# Altium PCB TS_24 UCM R1.PcbDoc
Units mm, origin at the board's own origin, x right, y up, seen from the top; angles counter-clockwise.
Board outline 76.53 x 28.45 mm, 4 copper layers (Top Layer, Int1 (PWR), Int2 (GND), Bottom Layer), stack 1.369 mm thick; 91 components, 56 nets, 303 pads, 139 vias.
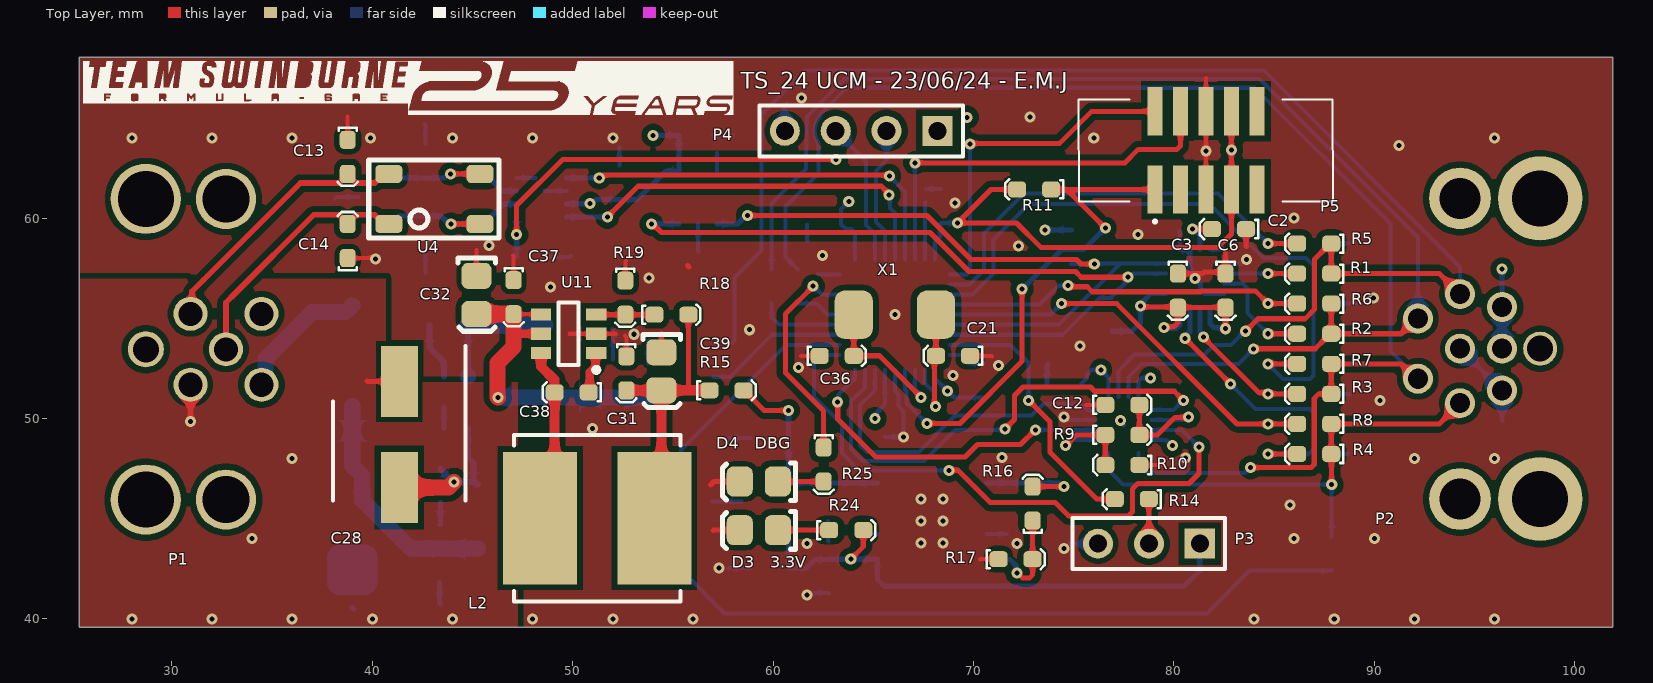
[diagram p0: Top Layer view]
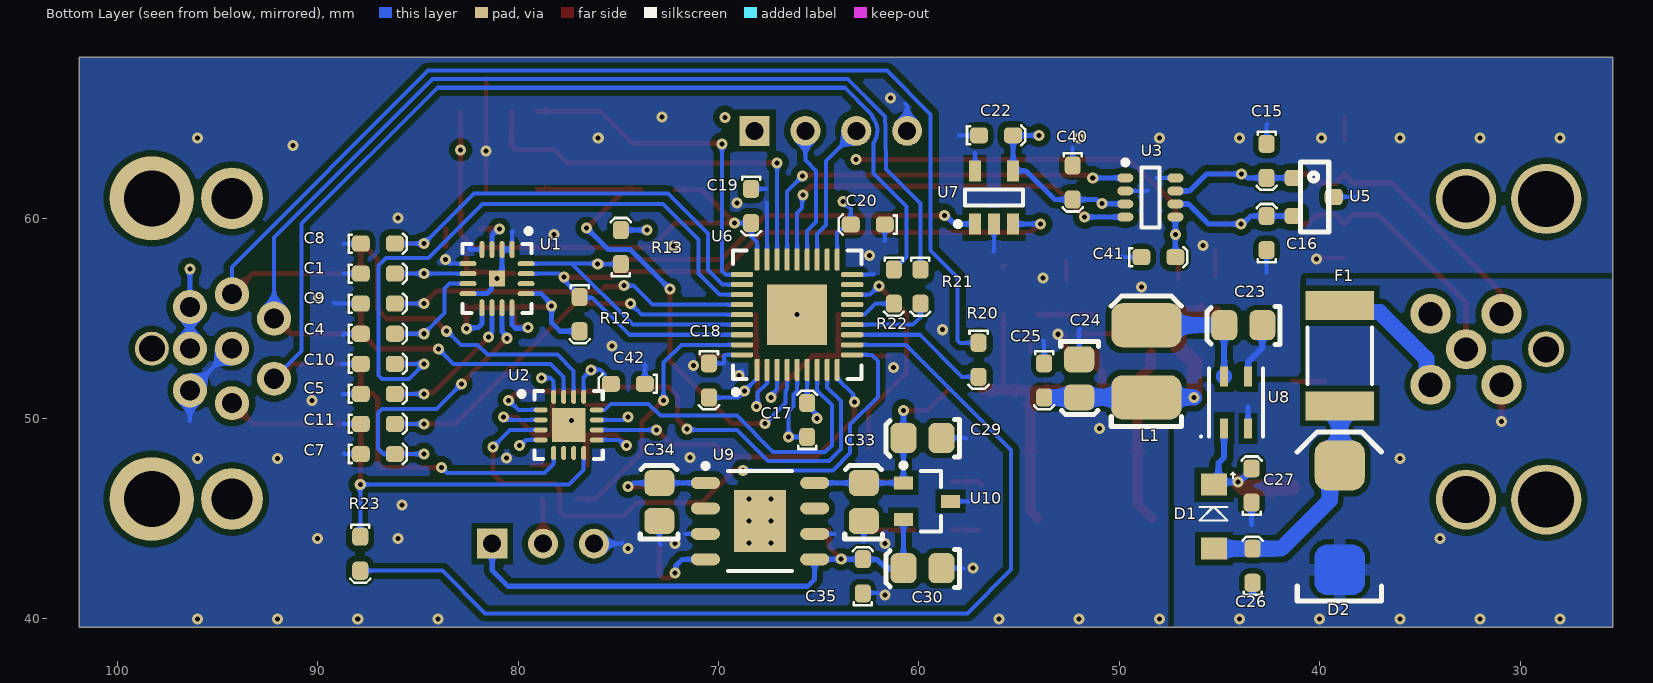
[diagram p1: Bottom Layer view, seen from below]
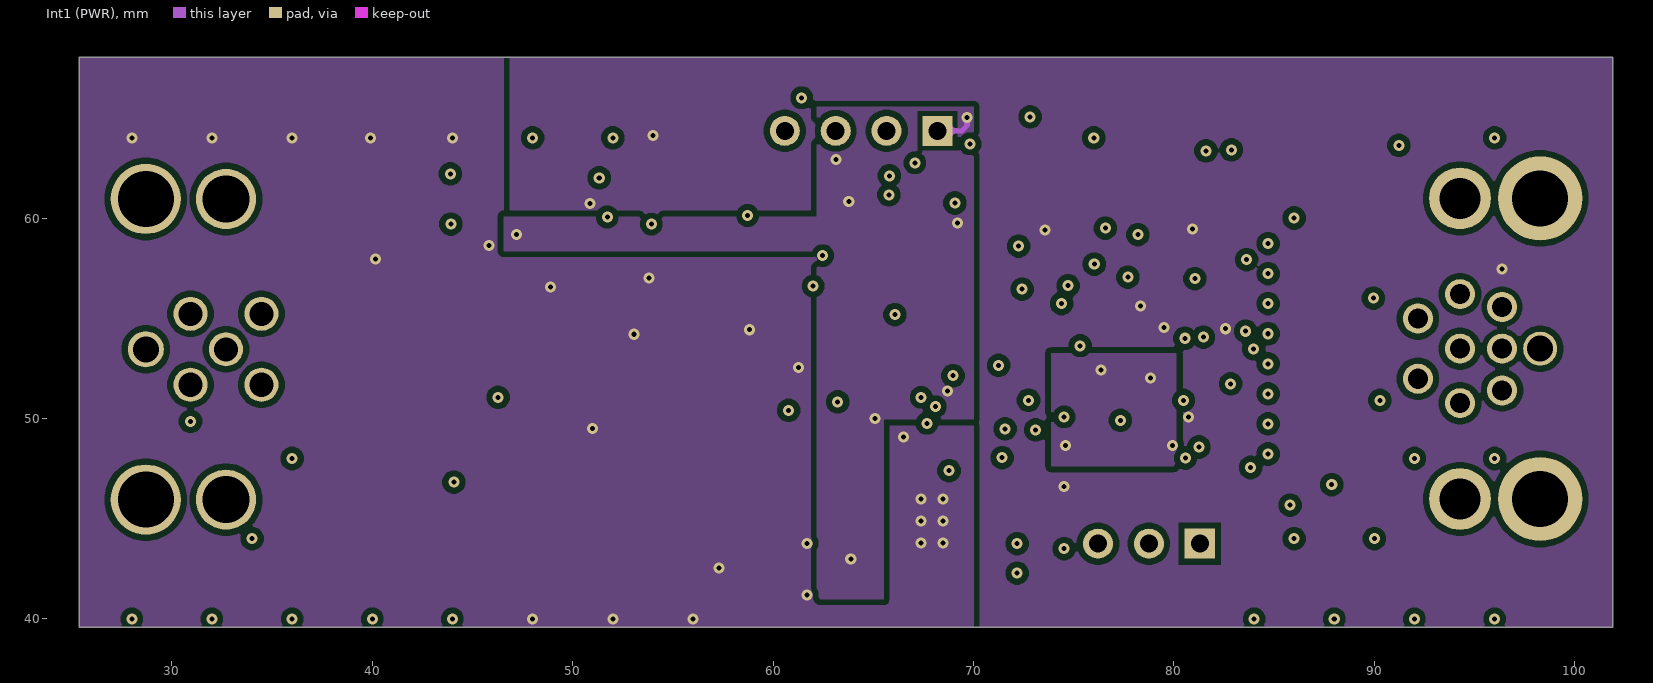
[diagram p2: Int1 (PWR)]
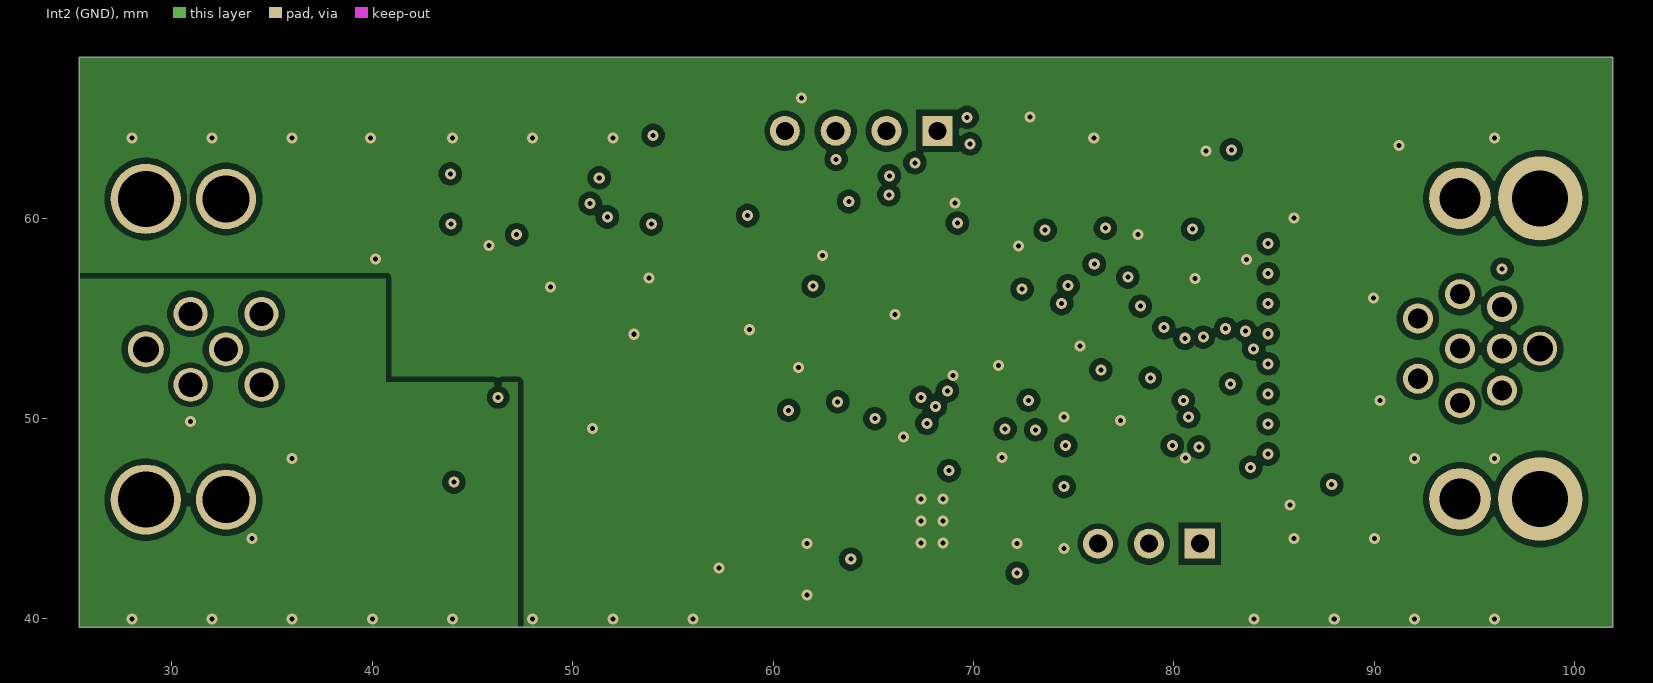
[diagram p3: Int2 (GND)]
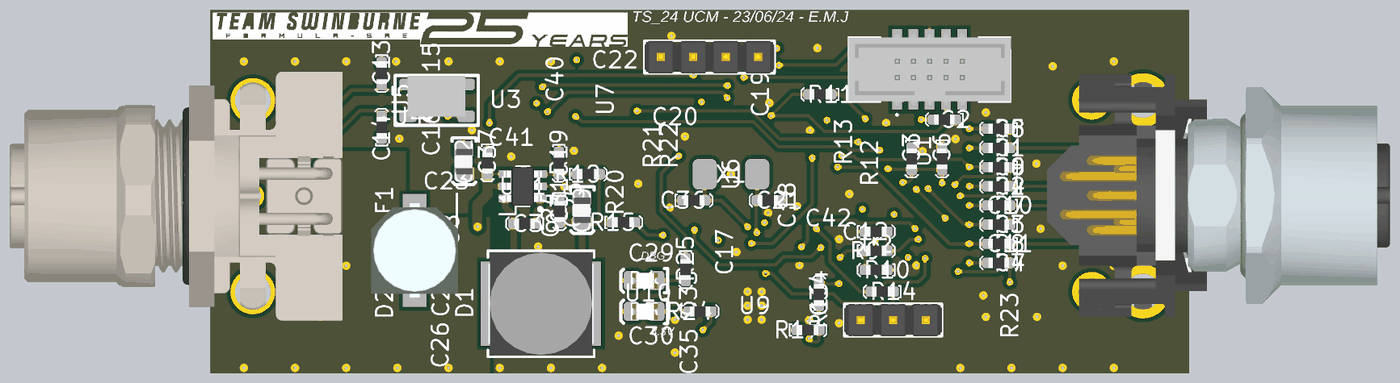
[diagram p4: 3D render of the assembled board from above, using the file's embedded part models]
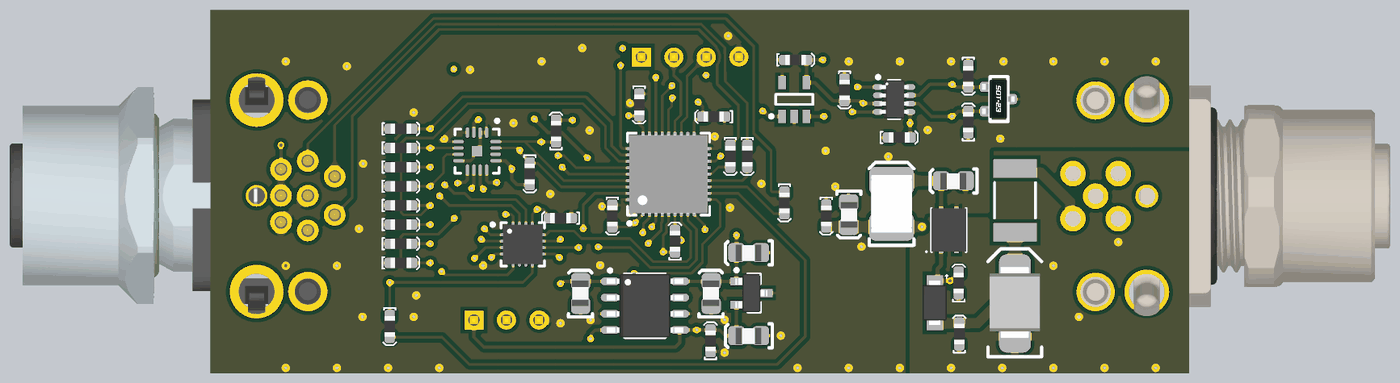
[diagram p5: 3D render of the assembled board from below, using the file's embedded part models]

## Layer stack, top to bottom
Top Solder: solder mask 0.0254, SM-001, Dk 4
Top Layer: signal copper 0.035
Dielectric 1: prepreg 0.1295, PP-017, Dk 4.3
Dielectric 2: prepreg 0.1295, PP-017, Dk 4.3
Int1 (PWR): signal copper 0.035
Dielectric 3: core 0.7112, Core-039, Dk 4.8
Int2 (GND): signal copper 0.035
Dielectric 4: prepreg 0.1295, PP-017, Dk 4.3
Dielectric 5: prepreg 0.1295, PP-017, Dk 4.3
Bottom Layer: signal copper 0.035
Bottom Solder: solder mask 0.0254, SM-001, Dk 4

## Board outline
25.375,39.575 25.375,68.025 101.9,68.025 101.9,39.575

## Design rules (kind name [scope] priority, off if disabled: settings)
Clearance [All] p1: gap=0.254 ignorepadtopadclearanceinfootprint=FALSE except(0: Arc-Hole Track-Hole SMDPad-Hole THPad-Hole Via-Hole Fill-Hole Region-Hole Text-Hole; 0.1: THPad-THPad; 0.152: Arc-SMDPad Track-SMDPad SMDPad-SMDPad; 0.2: Arc-THPad Track-THPad SMDPad-THPad THPad-Via; 0.203: Arc-Arc Arc-Track Arc-Region Track-Track Track-Region SMDPad-Region THPad-Region Via-Region Fill-Region Poly-Region Region-Region; 0.3: Arc-Poly Track-Poly SMDPad-Poly THPad-Poly Via-Poly Fill-Poly Poly-Poly)
DiffPairsRouting DiffPair_DiffPairsRouting [InDifferentialPair ('CANbus')] p1: maxlimit=1.3 minlimit=1.3 mostfreqgap=1.3 toplayer_minwidth=0.285 toplayer_maxwidth=0.285 toplayer_prefwidth=0.285 midlayer1_minwidth=0.285 midlayer1_maxwidth=0.285 midlayer1_prefwidth=0.285 midlayer2_minwidth=0.285 midlayer2_maxwidth=0.285 midlayer2_prefwidth=0.285 bottomlayer_minwidth=0.285 bottomlayer_maxwidth=0.285 bottomlayer_prefwidth=0.285 maxuncoupledlength=0.1
DiffPairsRouting [All] p2: maxlimit=0.254 minlimit=0.254 mostfreqgap=0.254 toplayer_minwidth=0.381 toplayer_maxwidth=0.381 toplayer_prefwidth=0.381 midlayer1_minwidth=0.381 midlayer1_maxwidth=0.381 midlayer1_prefwidth=0.381 midlayer2_minwidth=0.381 midlayer2_maxwidth=0.381 midlayer2_prefwidth=0.381 bottomlayer_minwidth=0.381 bottomlayer_maxwidth=0.381 bottomlayer_prefwidth=0.381 maxuncoupledlength=12.7
Height [All] p1: minheight=0 maxheight=50 prefheight=12.7
HoleSize [All] p1: absolutevalues=TRUE maxlimit=10 minlimit=0.025 maxpercent=80.000 minpercent=20.000
MatchedLengths DiffPair_MatchedLengths [InDifferentialPair ('CANbus')] p1: tolerance=25.4 checknetsindiffpair=FALSE checkdiffpairvsdiffpair=TRUE checkxsignals=TRUE checkothers=TRUE
MinimumSolderMaskSliver [All] p1 off: minsoldermaskwidth=0.254
NetAntennae [All] p1 off: netantennaetolerance=0
PlaneClearance [All] p1: clearance=0.4
PlaneConnect [All] p1: pad.planeconnectstyle=NoConnect pad.reliefexpansion=0.508 pad.reliefentries=4 pad.reliefconductorwidth=0.8 pad.reliefairgap=0.254 via.planeconnectstyle=Direct via.reliefexpansion=0.508 via.reliefentries=4 via.reliefconductorwidth=0.8 via.reliefairgap=0.254
PolygonConnect [All] p1: thpad.connectstyle=NoConnect thpad.reliefconductorwidth=0.6 thpad.reliefentries=4 thpad.polygonreliefangle="90 Angle" thpad.airgapwidth=0.254 smdpad.connectstyle=NoConnect smdpad.reliefconductorwidth=0.6 smdpad.reliefentries=4 smdpad.polygonreliefangle="90 Angle" smdpad.airgapwidth=0.254 via.connectstyle=Direct via.reliefconductorwidth=0.6 via.reliefentries=4 via.polygonreliefangle="90 Angle" via.airgapwidth=0.254
RoutingVias [All] p1: holewidth=0.25 width=0.55 viastyle="Through Hole" minholewidth=0.203 minwidth=0.254 maxholewidth=0.711 maxwidth=1.27
SilkToSilkClearance [All] p1 off: silktosilkclearance=0.254
SilkToSolderMaskClearance [IsPad] p1 off: minsilkscreentomaskgap=0.254 clearancetoexposedcopper=TRUE
SolderMaskExpansion [All] p1: expansion=0.051 istentingtop=FALSE
Width [All] p1: maxlimit=3 minlimit=0.127 preferedwidth=0.152 minimp=50.000000 maximp=50.000000 favimp=50.000000
21 further rules are at their usual default settings.

## Classes and differential pairs
component class "U_Power Supply": C23 C24 C25 C26 C27 C28 C29 C30 C31 C32 C33 C34 C35 C37 C38 C39 D1 D2 F1 L1 L2 R15 R16 R17 R18 R19 U8 U9 U10 U11
component class U_Microcontroller: C17 C18 C19 C20 C21 C22 C36 D3 D4 P3 P4 P5 R11 R12 R13 R14 R24 R25 U6 U7 X1
component class U_Digital_Outputs: C12 C42 R9 R10 U2
component class U_Digital_Inputs: C8 C9 C10 C11 R5 R6 R7 R8 R20 R21 R22 R23
component class U_CAN: C13 C14 C15 C16 C40 C41 U3 U4 U5
component class U_Analog_Input: C1 C2 C3 C4 C5 C6 C7 R1 R2 R3 R4 U1
component class "Top Level": P1 P2
differential pair CANbus: +CAN2_P -CAN2_N

## Components (designator, comment, footprint, x,y, rotation, side; value= is the part's Value field where it differs from the comment)
C1 "100nF" 0603 87.85,57.225 r180 bottom
C2 "100nF" 0603 83.6,59.45 r180 top
C3 "100nF" 0603 80.2,57.225 r270 top
C4 "100nF" 0603 87.85,54.225 r180 bottom
C5 "100nF" 0603 87.85,51.225 r180 bottom
C6 "100nF" 0603 82.575,57.225 r270 top
C7 "100nF" 0603 87.85,48.225 r180 bottom
C8 "10nF" 0603 87.85,58.725 r180 bottom
C9 "10nF" 0603 87.85,55.73 r180 bottom
C10 "10nF" 0603 87.85,52.725 r180 bottom
C11 "10nF" 0603 87.85,49.725 r180 bottom
C12 "100nF" 0603 76.575,50.675 r0 top
C13 "100pF" 0603 38.775,63.9 r270 top
C14 "100pF" 0603 38.775,58 r90 top
C15 "100pF" 0603 42.65,63.7 r270 bottom
C16 "100pF" 0603 42.65,58.4 r90 bottom
C17 "100nF" 0603 65.575,49.075 r90 bottom
C18 "100nF" 0603 70.475,52.75 r270 bottom
C19 "100nF" 0603 68.375,61.45 r270 bottom
C20 "100nF" 0603 61.7,59.675 r0 bottom
C21 "22pF" 0603 69.825,53.125 r180 top
C22 "100nF" 0603 57,64.125 r180 bottom
C23 "10uF" 0805 43.825,54.625 r0 bottom
C24 "10uF" 0805 51.974,51.989 r270 bottom
C25 "100nF" 0603 53.75,52.751 r270 bottom
C26 "100nF" 0603 43.35,41.8 r90 bottom
C27 "100nF" 0603 43.4,45.8 r90 bottom
C28 "47uF" "CHEMI-CON ELCO" 41.35,49.2 r270 top
C29 "1µF" 0805 59.833,49 r0 bottom
C30 "10uF" 0805 59.833,42.5 r0 bottom
C31 "100nF" 0603 52.675,53.1 r270 top
C32 "10uF" 0805 45.225,56.15 r270 top
C33 "1µF" 0805 62.772,45.842 r90 bottom
C34 "10uF" 0805 72.975,45.842 r90 bottom
C35 "100nF" 0603 62.8,41.275 r90 bottom
C36 "22pF" 0603 62.325,53.125 r0 top
C37 "100nF" 0603 47.05,56.9 r270 top
C38 "100nF" 0603 50.8,51.3 r180 top
C39 "10uF" 0805 54.451,52.338 r270 top
C40 "100nF" 0603 52.325,62.625 r270 bottom
C41 "100nF" 0603 48.9,58.05 r180 bottom
C42 "100nF" 0603 73.675,51.725 r0 bottom
D1 "PMEG100T10ELR-QX" "NXP SOD123W" 45.275,45.1 r270 bottom
D2 "SM6T36CAY" "ST SMB DIODE" 39,45.05 r270 bottom
D3 "Red" "0805 LED" 59.275,44.4 r180 top
D4 "Yellow" "0805 LED" 59.275,46.825 r180 top
F1 "0ZCG0020AF2C" "1812 (PPTC FUSE)" 39,53.125 r270 bottom
L1 "12uH" 1812 48.65,52.851 r90 bottom
L2 "47 uH" SRN8040TA 51.225,45.025 r180 top
P1 "NMEA" 43-01203 32.7,53.45 r90 top
P2 "43-02639" 43-02639 94.275,53.48 r90 top
P3 "2.54mm" "TH 2.54mm Header 1x3" 81.29,43.75 r180 top
P4 "2.54mm" "TH 2.54mm Header 1x4" 68.205,64.35 r180 top
P5 "1.27mm" 3221-10-0300-00 81.6,63.375 r0 top
R1 "510R" 0603 87.85,57.225 r180 top
R2 "510R" 0603 87.85,54.225 r180 top
R3 "510R" 0603 87.85,51.225 r180 top
R4 "510R" 0603 87.85,48.225 r180 top
R5 "10k" 0603 87.85,58.725 r180 top
R6 "10k" 0603 87.85,55.73 r180 top
R7 "10k" 0603 87.85,52.725 r180 top
R8 "10k" 0603 87.85,49.725 r180 top
R9 "20K" 0603 76.575,49.175 r0 top
R10 "10k" 0603 78.275,47.675 r180 top
R11 "10k" 0603 73.875,61.425 r180 top
R12 "2K" 0603 76.925,56.05 r270 bottom
R13 "2K" 0603 74.875,57.7 r90 bottom
R14 "10k" 0603 78.75,45.975 r180 top
R15 "0" 0603 56.825,51.4 r0 top
R16 "10k" 0603 72.95,44.9 r90 top
R17 "20K" 0603 71.25,42.975 r0 top
R18 "51K" 0603 54.075,55.175 r0 top
R19 "10k" 0603 52.625,56.875 r270 top
R20 "10k" 0603 57.025,53.775 r270 bottom
R21 "10k" 0603 59.925,57.425 r270 bottom
R22 "10k" 0603 61.25,57.425 r270 bottom
R23 "10k" 0603 87.875,44.1 r270 bottom
R24 "1k" 0603 62.8,44.426 r0 top
R25 "1k" 0603 62.525,48.551 r270 top
U1 "ADS122C04IRTER" "TI 16-WQFN (3x3)" 81.05,56.975 r270 bottom
U2 "TLV9004IRTER" "TI 16-WQFN (3x3, 1.68mm)" 77.475,49.675 r180 bottom
U3 "TCAN1044AVDDFRQ1" "TI SOT23-8" 48.45,61.025 r180 bottom
U4 "B82787C0104H002" "TDK 4-PC Pad" 40.825,59.7 r0 top value="100µH @ 100kHz"
U5 "NUP2105L" "ON SOT-23" 40.3,61.05 r270 bottom
U6 "STM32F103T8U6" STM_QFN-36 66.075,55.175 r90 bottom
U7 "24FC16T-E/OT" "MCP SOT-23-5" 56.25,61.025 r90 bottom
U8 "ACP3225-102-2P-T000" ACP3225 44.175,50.8 r90 bottom
U9 "TPS7B4253-Q1" "TI 8-PowerSOIC" 67.925,44.875 r180 bottom
U10 "AP7375" "DI SOT-23-3" 59.596,45.865 r180 bottom
U11 "LMR50410YQDBVRQ1" "TI SOT-23-6" 49.8,54.225 r180 top
X1 "8MHz" ECS-80-18-30-JGN-TR 66.075,55.175 r180 top

## Footprints (in the part's own frame and the unit in brackets; to place one, negate y for a bottom-side part, rotate by r counter-clockwise, add the part's x,y. Pads: shape width x height; smd on the part's side, far side on the other; paste and mask are expansions set on the pad)
43-01203 [mm]
  round 1.7 / inner round 1.7 / far side round 2 hole 1.2: 1(1.77,-1.77) 2(-1.77,-1.77) 3(-1.77,1.77) 4(1.77,1.77) 5(0,0)
  round 3 hole 2.35: 15(-7.5,0) 15(7.5,0)
  round 3.5 hole 2.8: 15(-7.5,4) 15(7.5,4)
  round 1.8 hole 1.3: 15(0,4)
  body extent -9.75,-3 9.75,23, height 16
43-02639 [mm]
  round 1.5 / inner round 1.5 / far side round 1.7 hole 1: 1(-1.5,2.1) 2(1.5,2.1) 3(2.72,0) 4(2.08,-2.1) 5(0,-2.1) 6(-2.08,-2.1) 7(-2.72,0) 8(0,0)
  round 3.075 hole 2.05: MH1(-7.5,0) MH3(7.5,0)
  round 4.2 hole 2.8: MH2(-7.5,-4) MH4(7.5,-4)
  round 1.7 hole 1.3: MH5(0,-4)
  body extent -9.48,-23.3 9.52,3.5, height 16.1
0603 [mm]
  rrect50% 0.9x0.8 smd: 1(0,0) 2(1.7,0)
  silkscreen extent -0.6,-0.5 2.3,0.5, body extent 0.05,-0.42 1.65,0.43, height 0.6
0805 [mm]
  rrect50% 1.3x1.5 smd: 1(-0.962,-0.026) 2(0.938,-0.026)
  silkscreen extent -1.85,-0.95 1.8,0.93, body extent -1,-0.65 1,0.66, height 0.73
"0805 LED" [mm]
  rrect50% 1.3x1.5 smd: A(-0.962,-0.026) K(0.938,-0.026)
  silkscreen extent -1.85,-0.95 1.8,0.93, body extent -1.09,-0.63 0.91,0.62, height 1
1812 [mm]
  rrect50% 2.2x3.5 smd: 1(-1.8,0) 2(1.8,0)
  silkscreen extent -3.25,-1.75 3.25,1.75, body extent -2.25,-1.6 2.25,1.6, height 2.5
"1812 (PPTC FUSE)" [mm] "Chip Resistor, 2-Leads, Body 5.55x3.24mm, IPC Medium Density"
  rect 1.45x3.4 smd: 1(-2.5,0) 2(2.5,0)
  silkscreen extent -1.4,-1.6 1.4,1.6, body extent -2.87,-1.71 2.87,1.71, height 0.9
3221-10-0300-00 [mm]
  rect 0.76x2.4 smd: 1(-2.54,-1.95) 2(-2.54,1.95) 3(-1.27,-1.95) 4(-1.27,1.95) 5(0,-1.95) 6(0,1.95) 7(1.27,-1.95) 8(1.27,1.95) 9(2.54,-1.95) 10(2.54,1.95)
  silkscreen extent -6.35,-3.6 6.35,2.55, body extent -6.34,-2.8 6.36,2.8, height 5.25
ACP3225 [mm] "DFN, 4-Leads, Body 2.50x3.20mm, Pitch 2.80mm, IPC Medium Density"
  rect 1x0.4 smd: 1(-1.3,0.6) 2(-1.3,-0.6) 3(1.3,-0.6) 4(1.3,0.6)
  silkscreen extent -1.75,-1.35 1.7,1.8, body extent -1.7,-1.35 1.7,1.35, height 2
"CHEMI-CON ELCO" [mm]
  rect 3.55x1.85 smd: 1(-2.65,0) 2(2.65,0)
  silkscreen extent -4.43,-3.3 3.3,3.3, body extent -3.7,-3.4 3.7,3.4, height 6.1
"DI SOT-23-3" [mm] "SOT23, 3-Leads, Body 2.90x2.40mm, Pitch 0.92mm, IPC Medium Density"
  rect 0.95x0.65 smd: 1(-1.175,0.915) 2(-1.175,-0.915) 3(1.175,0)
  silkscreen extent -1.3,-1.5 0.7,1.91, body extent -1.25,-1.5 1.25,1.5, height 1.1
ECS-80-18-30-JGN-TR [mm]
  rrect50% 1.9x2.4 smd: 1(-2.05,0) 2(2.05,0)
"MCP SOT-23-5" [mm] "SOT23, 5-Leads, Body 2.90x2.80mm, Pitch 0.95mm, IPC Medium Density"
  rect 1.05x0.6 smd: 1(-1.325,0.95) 2(-1.325,0) 3(-1.325,-0.95) 4(1.325,-0.95) 5(1.325,0.95)
  silkscreen extent -1.45,-1.45 0.4,1.93, body extent -0.8,-1.45 0.8,1.45, height 1.45
"NXP SOD123W" [mm]
  rect 1.1x1.3 smd: A(1.6,0) K(-1.6,0)
  silkscreen extent -2.2,-0.73 0.2,1.04, body extent -1.75,-0.95 1.75,0.95, height 1.1
"ON SOT-23" [mm] "NUP2105L"
  rrect50% 0.8x0.9 smd: 1(-0.95,-1) 2(0.95,-1) 3(0,1)
  silkscreen extent -1.75,-0.65 1.75,0.75, body extent -1.5,-1.28 1.5,1.27, height 1
SRN8040TA [mm] "Precision Wire Wound Inductor, 2-Leads, Body 8.00x8.00mm, IPC Medium Density"
  rect 3.7x6.6 smd: 1(-2.85,0) 2(2.85,0)
  silkscreen extent -4.15,-4.15 4.15,4.15, body extent -4.1,-4 4.1,4, height 4.6
"ST SMB DIODE" [mm]
  round 0.025 smd: A(2.6,0)
  rrect50% 2.5x2.5 smd: K(-2.6,0)
  Top Layer region: 1.35,0.625 1.35,-0.625 1.398,-0.864 1.533,-1.067 1.736,-1.202 1.975,-1.25 1.975,-1.25 3.225,-1.25 3.464,-1.202 3.667,-1.067 3.802,-0.864 3.85,-0.625 3.85,-0.625 3.85,0.625 3.802,0.864 3.667,1.067 3.464,1.202 3.225,1.25 3.225,1.25 1.975,1.25 1.736,1.202 1.533,1.067 1.398,0.864 1.35,0.625
  silkscreen extent -4.28,-2.12 4.17,2.08, body extent -2.88,-1.99 2.72,1.95, height 2.5
STM_QFN-36 [mm]
  rrect50% 1.1x0.25 smd: 1(-2.75,2) 2(-2.75,1.5) 3(-2.75,1) 4(-2.75,0.5) 5(-2.75,0) 6(-2.75,-0.5) 7(-2.75,-1) 8(-2.75,-1.5) 9(-2.75,-2) 19(2.75,-2) 20(2.75,-1.5) 21(2.75,-1) 22(2.75,-0.5) 23(2.75,0) 24(2.75,0.5) 25(2.75,1) 26(2.75,1.5) 27(2.75,2)
  rrect50% 0.25x1.1 smd: 10(-2,-2.75) 11(-1.5,-2.75) 12(-1,-2.75) 13(-0.5,-2.75) 14(0,-2.75) 15(0.5,-2.75) 16(1,-2.75) 17(1.5,-2.75) 18(2,-2.75) 28(2,2.75) 29(1.5,2.75) 30(1,2.75) 31(0.5,2.75) 32(0,2.75) 33(-0.5,2.75) 34(-1,2.75) 35(-1.5,2.75) 36(-2,2.75)
  rect 3x3 smd: 18(0,0)
  silkscreen extent -3.98,-3.21 3.21,3.21, body extent -3.08,-3.08 3.08,3.08, height 1
"TDK 4-PC Pad" [mm]
  rrect50% 1.35x0.9 smd: 1(0,2.5) 2(0,0) 3(4.55,0) 4(4.55,2.5)
  silkscreen extent -1,-0.7 5.5,3.2, body extent -0.02,-0.02 4.48,3.18, height 2.8
"TH 2.54mm Header 1x3" [mm]
  rect 1.5x1.5 hole 0.9: 1(0,0)
  round 1.5 hole 0.9: 2(2.54,0) 3(5.08,0)
  silkscreen extent -1.27,-1.27 6.35,1.27, body extent -1.27,-1.27 6.35,1.27, height 9.5
"TH 2.54mm Header 1x4" [mm]
  rect 1.5x1.5 hole 0.9: 1(0,0)
  round 1.5 hole 0.9: 2(2.54,0) 3(5.08,0) 4(7.62,0)
  silkscreen extent -1.27,-1.27 8.89,1.27, body extent -1.27,-1.27 8.89,1.27, height 9.5
"TI 8-PowerSOIC" [mm] "SOIC, 8-Leads, Body 4.90x3.90mm, Pitch 1.27mm, Thermal Pad 3.10x2.60mm, IPC Medium Density"
  oval 1.45x0.6 smd: 1(-2.725,1.905) 2(-2.725,0.635) 3(-2.725,-0.635) 4(-2.725,-1.905) 5(2.725,-1.905) 6(2.725,-0.635) 7(2.725,0.635) 8(2.725,1.905)
  rect 2.6x3.1 smd: 3(0,0)
  silkscreen extent -2.85,-2.5 1.6,2.88, body extent -3,-2.5 3,2.5, height 1.7
"TI 16-WQFN (3x3)" [mm] "QFN, 16-Leads, Body 3.00x3.00mm, Pitch 0.50mm, Thermal Pad 0.80x0.80mm, IPC High Density"
  oval 0.85x0.25 smd: 1(-1.45,0.75) 2(-1.45,0.25) 3(-1.45,-0.25) 4(-1.45,-0.75) 9(1.45,-0.75) 10(1.45,-0.25) 11(1.45,0.25) 12(1.45,0.75)
  rect 0.8x0.8 smd: 4(0,0)
  oval 0.25x0.85 smd: 5(-0.75,-1.45) 6(-0.25,-1.45) 7(0.25,-1.45) 8(0.75,-1.45) 13(0.75,1.45) 14(0.25,1.45) 15(-0.25,1.45) 16(-0.75,1.45)
  silkscreen extent -2.5,-1.72 1.72,1.73, body extent -1.6,-1.57 1.55,1.58, height 0.8
"TI 16-WQFN (3x3, 1.68mm)" [mm] "QFN, 16-Leads, Body 3.00x3.00mm, Pitch 0.50mm, Thermal Pad 1.68x1.68mm, IPC High Density"
  oval 0.7x0.25 smd: 1(-1.4,0.75) 2(-1.4,0.25) 3(-1.4,-0.25) 4(-1.4,-0.75) 9(1.4,-0.75) 10(1.4,-0.25) 11(1.4,0.25) 12(1.4,0.75)
  oval 0.25x0.7 smd: 5(-0.75,-1.4) 6(-0.25,-1.4) 7(0.25,-1.4) 8(0.75,-1.4) 13(0.75,1.4) 14(0.25,1.4) 15(-0.25,1.4) 16(-0.75,1.4)
  rect 1.68x1.68 smd: 11(0,0)
  silkscreen extent -2.48,-1.7 1.7,1.7, body extent -1.55,-1.55 1.55,1.55, height 0.8
"TI SOT23-8" [mm] "TSOP, 8-Leads, Body 2.90x1.60mm, Pitch 0.65mm, IPC High Density"
  oval 0.8x0.45 smd: 1(-1.25,0.975) 2(-1.25,0.325) 3(-1.25,-0.325) 4(-1.25,-0.975) 5(1.25,-0.975) 6(1.25,-0.325) 7(1.25,0.325) 8(1.25,0.975)
  silkscreen extent -1.38,-1.5 0.45,1.87, body extent -1.15,-1.5 1.15,1.5, height 1.1
"TI SOT-23-6" [mm] "SOT23, 6-Leads, Body 2.90x2.80mm, Pitch 0.95mm, IPC Medium Density"
  rect 1x0.6 smd: 1(-1.375,0.95) 2(-1.375,0) 3(-1.375,-0.95) 4(1.375,-0.95) 5(1.375,0) 6(1.375,0.95)
  silkscreen extent -1.5,-1.55 0.5,1.92, body extent -1.5,-1.53 1.5,1.53, height 1.45
